# KiCad board 8-Bit CPU 32k.kicad_pcb (continued)
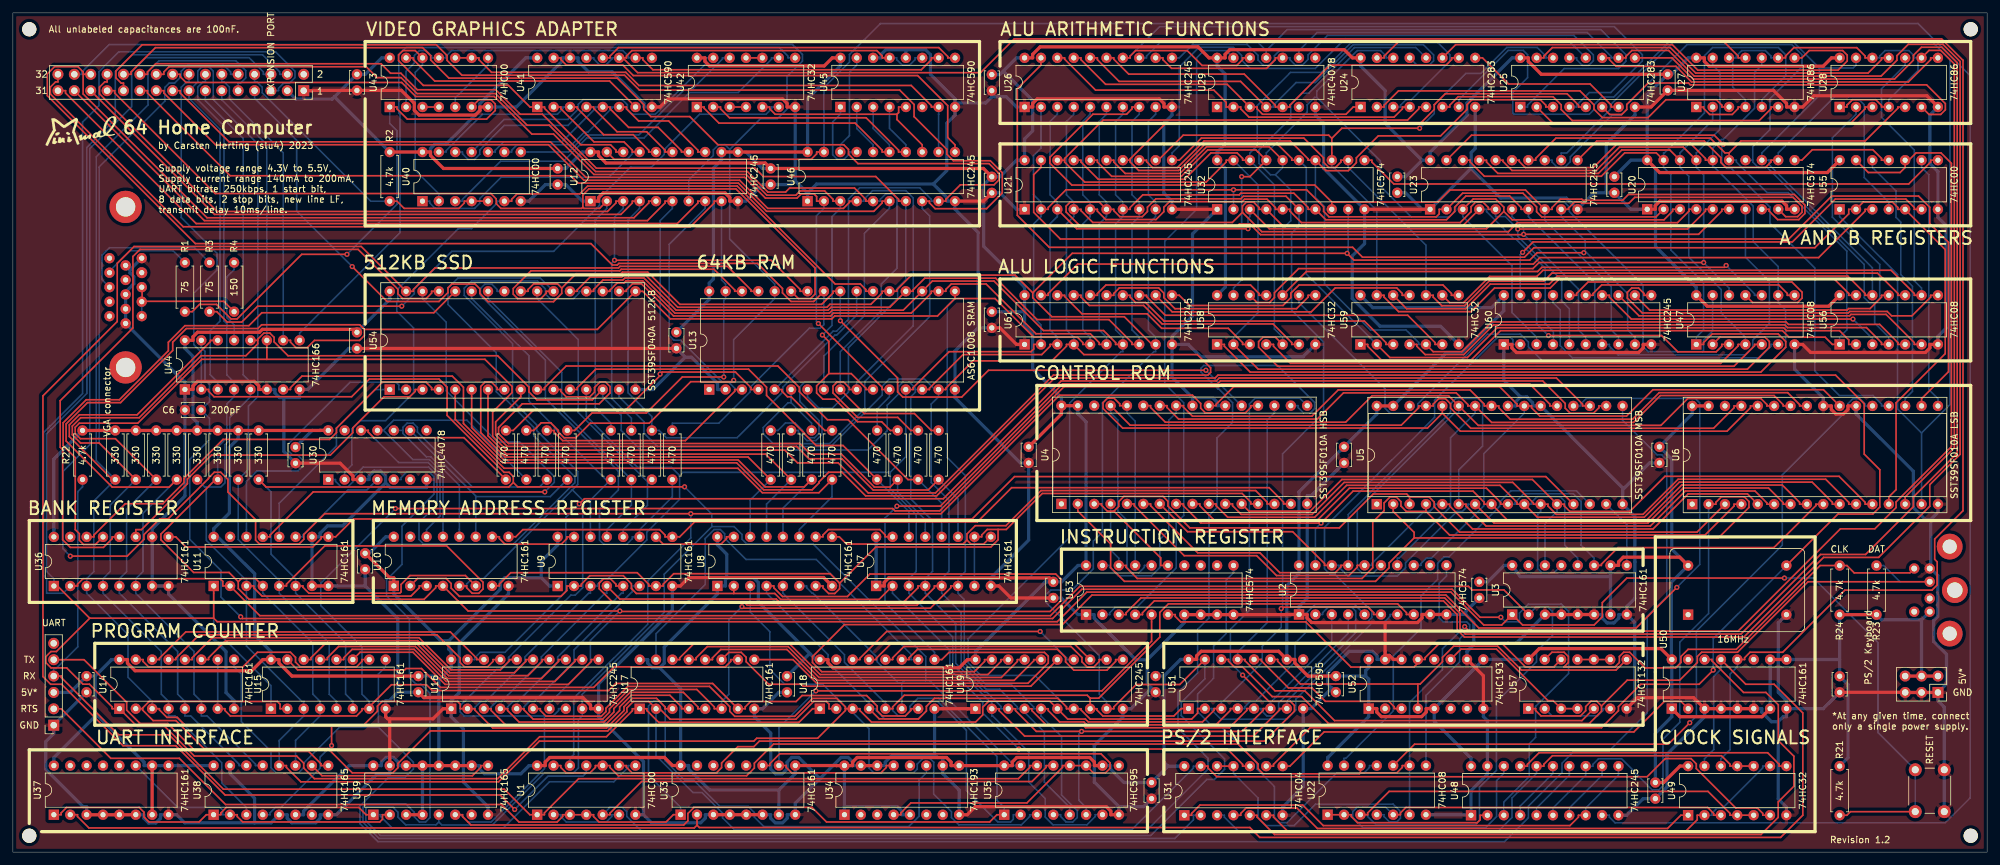
[diagram p0: board, top side]
## Routing (per net, layer and track width the routed paths; a pad name or vN(x,y) marks a point on that pad's centre or on a via; arc(x,y) is an arc through that point) (continued)
RAM_A11: length 283.7
  Top w0.25: U12.5 98.57,100.97 98.57,100.69 96.28,98.4 30.09,98.4 10.89,117.61 10.89,120.65 ; 10.89,120.65 10.89,121.02 10.08,121.83 6.45,121.83 5.33,120.71 5.33,117.34 28.29,94.39 89.61,94.39 92.93,91.07 93.7,91.07 93.94,91.31 115.43,91.31 119.31,87.44 119.31,86.75 120.64,85.42 124.15,85.42 U13.25 ; 10.89,120.65 J3.28
  Bottom w0.25: R8.2 102.24,66.53 109.44,66.53 114.3,71.39 114.3,72.09 123.47,81.26 125.18,81.26 125.73,81.82 U13.25
RAM_A12: length 174.4
  Top w0.25: R9.2 77.56,65.41 80.72,68.57 94.99,68.57 100.34,73.92 v1(100.34,74.15) 100.65,74.46 112.02,74.46 114.44,72.04 114.44,71.75 U13.4 ; J3.29 29.68,97.95 98.37,97.95 101.11,100.69 101.11,100.97 U12.6
  Bottom w0.25: v1(100.34,74.15) 100.34,97.95 102.24,99.85 U12.6
RAM_A13: length 228.1
  Top w0.25: R10.2 80.73,65.41 81.91,66.59 83.39,66.59 84.56,65.41 84.56,65.16 85.44,64.28 87.27,64.28 89.52,66.53 98.65,66.53 105.09,72.97 111.54,72.97 v1(111.75,73.18)
  Bottom w0.25: 111.13,109 115.9,113.77 118.52,113.77 120.01,115.25 120.01,120.3 122.41,122.69 122.41,123.73 120.87,125.26 14.95,125.26 10.7,121.02 10.7,120.65 J3.30 ; 111.13,109 110.38,109.75 109.42,109.75 108.59,108.92 108.59,108.06 104.78,104.25 U12.7 ; 111.13,109 111.13,95.1 118.11,88.12 U13.28 118.11,85.87 111.75,79.51 v1(111.75,73.18)
RAM_A14: length 183.2
  Top w0.25: U13.3 111.9,71.75 111.9,71.47 104.26,63.83 85.24,63.83 83.91,65.17 83.91,65.41 R11.2 ; U12.8 106.19,100.97 106.19,100.69 103,97.5 28.41,97.5 8.16,117.74 8.16,118.11 J3.31
  Bottom w0.25: U12.8 107.32,99.85 101.74,94.27 101.74,80.15 102.5,79.39 103.48,79.39 109.91,72.97 110.9,72.97 111.9,71.96 111.9,71.75 U13.3
RAM_A15: length 173.5
  Top w0.25: v1(110.21,73.7) 103.79,73.7 98.21,68.12 89.79,68.12 87.08,65.41 R12.2 ; J3.32 6.98,119.47 6.62,119.47 5.81,118.67 5.81,117.6 26.41,97 105.04,97 108.73,100.69 108.73,100.97 U12.9
  Bottom w0.25: v1(110.21,73.7) 110.21,85.59 110.49,85.87 U13.31 110.49,88.12 109.86,88.75 U12.9
UART_CLOCK: length 323.2
  Top w0.25: 106.06,4.17 106.42,3.81 191.77,3.81 193.3,2.28 274.06,2.28 277.5,5.72 277.5,21.59 273.05,26.03 268.65,26.03 U50.13 ; 106.06,4.17 105.64,3.75 11.78,3.75 10.02,5.52 10.02,5.8 U37.2 ; 106.06,4.17 U33.2
  Bottom w0.25: U50.13 264.81,28.37 263.68,27.25 263.68,15.9 262.25,14.47 U49.13
VGA_RAM_ON: length 213.9
  Bottom w0.25: U30.5 60.18,57.79 60.18,58.08 61.07,58.97 64.55,58.97 65.28,58.24 65.28,55.53 60.32,50.57 60.32,44.64 57.93,42.24 57.93,39.73 61.48,36.18 61.48,27.06 62.49,26.06 63.24,26.06 64.66,24.63 64.66,5.35 63.98,4.67 63.03,4.67 62.23,5.47 62.23,6.17 60.94,7.46 54.76,7.46 54.27,6.97 54.27,4.64 56.79,2.11 180.13,2.11 183.02,5.01 183.02,5.72 U31.2
~{PIXEL_LOAD}: length 297.1
  Top w0.25: v1(230.68,36.43) 227.47,36.43 223.13,40.77 165.74,40.77 161.19,36.23 35.58,36.23 v1(35.31,36.5)
  Bottom w0.25: U44.15 29.21,78.26 29.78,77.69 29.78,73.25 30.48,72.55 30.48,69.89 C6.2 30.48,67.27 30.48,63.98 27.43,60.93 27.43,48.5 32.26,43.68 32.26,39.55 v1(35.31,36.5) ; v1(230.68,36.43) 231.38,35.72 233.4,35.72 233.57,35.89 233.57,37.08 234.95,38.47 240.05,38.47 241.19,37.33 241.19,27.71 236.07,22.59 236.07,17.79 235.07,16.79 235.07,11.7 231.14,7.77 U48.3
~{RESET}: length 625.9
  Top w0.25: U11.1 31.13,36.28 ; SW1.1 284.9,6.28 284.34,5.72 283.21,5.72 ; 31.13,36.28 31.67,35.74 161.9,35.74 166.48,40.32 222.94,40.32 228.03,35.23 230.82,35.23 U3.1 234.06,35.23 245.15,35.23 246.41,36.49 246.41,38.7 250.22,42.51 v1(274.65,42.51) ; 31.13,36.28 11.91,36.28 ; 11.91,36.28 6.91,41.28 U36.1 ; 11.91,36.28 6.74,31.11 5.9,31.11 5.12,30.33 5.12,29.38 5.92,28.57 8.33,28.57 10.86,26.04 11.87,26.04 15.38,22.53 15.38,22.25 U14.1 19.26,19.5 23.53,19.5 28.13,14.9 43.99,14.9 45.09,13.8 45.09,13.05 46.74,11.39 75.16,11.39 81.67,17.9 92.02,17.9 96.04,21.92 96.04,22.23 U17.1 98.3,22.23 98.3,21.95 100.12,20.13 121.87,20.13 123.98,22.25 U18.1
  Bottom w0.25: J3.4 41.37,120.65 41.37,121.02 38.71,123.68 18.5,123.68 15.88,121.05 15.88,113.72 11.47,109.32 11.47,71.16 5.9,65.59 5.9,65.59 5.21,64.9 5.21,43.54 6.35,42.4 U36.1 ; U11.1 31.13,34.7 40.01,25.82 U15.1 ; SW1.1 SW1.1 289.16,18.54 289.16,32.48 279.14,42.51 v1(274.65,42.51)
~{VGA_ADDR_ON}: length 401.9
  Top w0.25: U12.19 93.21,107.47 123.77,107.47 124.61,108.31 124.61,108.59 U46.19
  Bottom w0.25: U48.9 247.51,5.72 247.51,5.43 248.39,4.55 299.59,4.55 303.44,8.4 303.44,120.44 295.36,128.52 134.5,128.52 129.7,123.72 129.7,122.55 125.74,118.59 U46.19
~{VGA_CTRL_ON}: length 203
  Top w0.25: 217.24,48.73 264.42,48.73 269.15,53.47 269.15,54.38 268.42,55.11 264.88,55.11 264.02,54.25 264.02,53.97 U6.2 ; 217.24,48.73 217.24,49.6 214,52.84 U5.2 ; 217.24,48.73 213.37,44.86 213.37,44.11 211.25,42 172.32,42 170.19,44.14 170.19,47.8 165.1,52.88 U4.2
  Bottom w0.25: U6.2 262.89,37.02 258.43,32.56 258.43,20.14 255.82,17.53 255.82,10.29 255.19,9.66 254.13,9.66 251.28,12.52 251.28,12.61 249.41,14.48 245.83,14.48 244.97,13.62 244.97,13.33 U48.13 243.84,11.92 238.76,6.84 U48.6
Net-(J2-Pad1): length 19.5
  Top w0.25: R4.1 32.68,85.44 20.03,85.44 ; 20.03,85.44 J2.2 ; 20.03,85.44 20.03,87.57 J2.3
  Bottom w0.25: J2.2 J2.1
Net-(J2-Pad13): length 23.5
  Bottom w0.25: J2.13 13.83,88.78 13.83,92.61 14.96,93.75 28.18,93.75 R3.1
Net-(J2-Pad14): length 14
  Bottom w0.25: J2.14 14.98,90.11 18.12,93.26 24.86,93.26 R1.1
Net-(U1-Pad2): length 11.4
  Bottom w0.25: 93.98,5.8 92.85,5.8 92.85,5.52 92.01,4.67 85.78,4.67 84.94,5.52 84.94,5.8 U1.2
Net-(U1-Pad8): length 98.9
  Top w0.25: U37.1 7.48,5.8 7.48,6.08 8.32,6.93 19.58,6.93 20.32,6.19 20.32,5.46 21.1,4.67 28.86,4.67 29.99,5.8 U38.1 32.24,5.8 32.24,6.08 33.08,6.93 53.63,6.93 54.75,5.8 U39.1
  Bottom w0.25: U39.1 57.01,5.8 57.01,5.52 58.79,3.74 76.02,3.74 83.2,10.91 93.16,10.91 95.39,13.14 95.39,13.42 U1.8
Net-(U1-Pad11): length 272
  Top w0.25: v1(77.79,6.61) 75.55,8.85 32.9,8.85 25.26,16.5 17.07,16.5 7.54,26.03 5.85,26.03 4.66,27.23 4.66,70.78 16.18,82.3 16.18,91.33 18.78,93.94 54.01,93.94 U54.31 62.09,86.99 62.09,87.27 65.43,90.62 93.88,90.62 94.13,90.86 110.78,90.86 114.44,87.2 114.44,86.99 U13.29
  Bottom w0.25: U1.11 88.9,12.29 88.39,11.79 82.97,11.79 v1(77.79,6.61)
Net-(U2-Pad11): length 38.4
  Bottom w0.25: U22.8 219.07,24.3 224.29,29.53 224.29,33.09 225.85,34.65 225.85,35.25 225.4,35.7 221.77,35.7 221.11,36.36 221.11,41.69 222.25,42.83 U2.11
Net-(U7-Pad15): length 13.2
  Top w0.25: U8.10 125.59,48.91 125.59,49.19 126.43,50.03 134.4,50.03 135.24,49.19 135.24,48.91 U7.15
Net-(U8-Pad15): length 13.2
  Top w0.25: U8.15 110.63,48.91 110.63,48.62 109.78,47.77 100.82,47.77 U9.10
Net-(U10-Pad10): length 14
  Top w0.25: U9.15 85.87,48.89 85.87,48.61 85.03,47.77 76.28,47.77 75.42,48.63 75.42,48.91 74.3,48.91
Net-(U13-Pad22): length 125
  Top w0.25: U13.22 132.22,86.99 132.22,87.28 131.38,88.12 127.49,88.12 112.29,103.31 89.1,103.31 87.89,102.1 78.16,102.1 77.32,101.26 77.32,100.97 U40.6
  Bottom w0.25: U30.2 51.43,58.92 52.56,60.05 52.56,65.65 53.83,66.92 57.79,66.92 62.13,71.27 62.13,81.28 59.51,83.9 59.51,85.38 59.67,85.54 59.67,87.33 69.06,96.71 71.09,96.71 75.07,100.69 75.07,100.97 U40.6
Net-(U13-Pad30): length 161.9
  Top w0.25: U13.30 111.9,86.99 111.9,87.2 108.7,90.41 94.31,90.41 94.07,90.17 80.32,90.17 77.57,87.42 77.57,86.55 78.27,85.85 81.84,85.85 82.69,86.71 82.69,86.99 U54.22
  Bottom w0.25: U30.1 50.02,57.79 50.02,57.51 50.9,56.63 51.91,56.63 52.7,57.43 52.7,58.13 54.28,59.71 64.49,59.71 65.73,58.46 65.73,53.91 62.95,51.13 62.95,48.5 63.66,47.79 77.6,47.79 87.13,57.31 87.13,58.2 80.75,64.58 80.75,65.88 76.39,70.24 76.12,70.24 74.93,71.43 74.93,77.47 67.45,84.95 67.45,87.49 69.01,89.05 81.76,89.05 U54.22
Net-(U14-Pad11): length 55.9
  Top w0.25: 80.65,29.86 79.52,29.86 79.52,29.58 77.76,27.82 67.74,27.82 62.76,32.8 32.99,32.8 30.34,30.15 30.34,29.86 29.21,29.86
Net-(U14-Pad12): length 55.8
  Top w0.25: 26.67,29.86 27.8,29.86 27.8,30.15 30.9,33.25 62.96,33.25 67.93,28.28 75.57,28.28 76.98,29.69 76.98,29.86 78.1,29.86
Net-(U14-Pad13): length 56.2
  Top w0.25: 24.13,29.86 25.26,29.86 25.26,30.07 28.89,33.7 65.74,33.7 69.33,30.11 69.33,29.43 70.02,28.74 73.6,28.74 74.44,29.58 74.44,29.86 75.56,29.86
Net-(U14-Pad14): length 55.2
  Top w0.25: 73.03,29.86 71.9,29.86 71.9,30.07 67.82,34.15 26.8,34.15 22.72,30.07 22.72,29.86 21.59,29.86
Net-(U14-Pad15): length 39.8
  Top w0.25: 55.24,29.86 54.12,29.86 54.12,29.58 53.28,28.74 44.55,28.74 43.82,29.48 43.82,30.21 43.03,31 37.91,31 35.63,28.72 21.03,28.72 20.18,29.58 20.18,29.86 19.05,29.86
Net-(U15-Pad11): length 42.4
  Top w0.25: 52.71,29.86 53.84,31 62.02,31 67,26.01 86.11,26.01 89.68,29.58 89.68,29.86 90.81,29.86
Net-(U15-Pad12): length 42.6
  Top w0.25: 50.16,29.86 51.29,29.86 51.29,30.15 52.59,31.45 62.2,31.45 67.18,26.47 84.03,26.47 87.14,29.58 87.14,29.86 88.27,29.86
Net-(U15-Pad13): length 42.6
  Top w0.25: 47.63,29.86 48.75,29.86 48.75,30.15 50.5,31.9 62.39,31.9 67.37,26.92 81.94,26.92 84.6,29.58 84.6,29.86 85.73,29.86
Net-(U15-Pad14): length 42.6
  Top w0.25: 83.19,29.86 82.06,29.86 82.06,29.58 79.85,27.37 67.55,27.37 62.58,32.35 48.41,32.35 46.21,30.15 46.21,29.86 45.09,29.86
Net-(U15-Pad15): length 73.8
  Top w0.25: U17.10 111.28,29.85 111.28,29.57 110.44,28.73 93.22,28.73 90.04,25.55 66.27,25.55 63.35,28.47 60.94,28.47 60.74,28.27 44.14,28.27 42.55,29.86
Net-(U17-Pad11): length 56.8
  Top w0.25: U17.11 111,30.98 112.92,30.98 113.68,30.22 113.68,29.53 117.18,26.03 122.22,26.03 122.52,25.74 157.81,25.74 U19.15
Net-(U17-Pad12): length 56.3
  Top w0.25: U17.12 108.46,29.85 108.46,30.14 109.75,31.43 120,31.43 124.79,26.64 155.23,26.64 158.26,29.67 158.26,29.85 U19.16
Net-(U17-Pad13): length 56.4
  Top w0.25: U19.17 155.72,29.85 155.72,29.57 153.24,27.09 124.98,27.09 120.19,31.88 107.66,31.88 105.92,30.14 105.92,29.85 U17.13
Net-(U17-Pad14): length 56.4
  Top w0.25: U17.14 103.38,29.85 103.38,30.14 105.61,32.37 120.34,32.37 125.16,27.54 151.15,27.54 153.18,29.57 153.18,29.85 U19.18
Net-(U17-Pad15): length 64.8
  Bottom w0.25: 140.35,29.86 139.22,29.86 139.22,30.71 124.54,45.39 113.66,45.39 110.35,48.7 110.35,49.37 109.68,50.04 108.72,50.04 107.32,48.63 107.32,41.49 99.71,33.88 U17.15
Net-(U18-Pad11): length 37.7
  Top w0.25: 137.81,29.86 138.94,29.86 138.94,30.15 140.24,31.45 161.93,31.45 163.2,30.18 163.2,29.51 164.49,28.21 169.6,28.21 170.96,29.57 170.96,29.85 U19.11
Net-(U18-Pad12): length 37.7
  Top w0.25: U19.12 168.42,29.85 168.42,29.57 167.54,28.69 166.57,28.69 165.74,29.52 165.74,30.18 164.02,31.9 138.15,31.9 136.4,30.15 136.4,29.86 135.27,29.86
Net-(U18-Pad13): length 36.5
  Top w0.25: U19.13 164.51,32.35 136.14,32.35 133.86,30.07 133.86,29.86 132.73,29.86
Net-(U18-Pad14): length 38.2
  Top w0.25: 130.19,29.86 131.32,29.86 131.32,30.07 135.47,34.23 v1(159.26,34.23)
  Bottom w0.25: U19.14 163.34,29.85 163.34,30.14 v1(159.26,34.23)
Net-(U20-Pad11): length 16.1
  Top w0.25: 290.82,107.32 289.7,107.32 289.7,107.61 288.36,108.95 278.97,108.95 277.36,107.33 U20.11
Net-(U22-Pad1): length 26.3
  Top w0.25: U48.2 227.47,5.72 227.47,5.01 227.03,4.56 208.45,4.56 207.5,5.52 207.5,5.8 U22.2 U22.1
Net-(U22-Pad4): length 42.1
  Top w0.25: U31.12 U31.11
  Bottom w0.25: U22.4 212.58,5.8 212.58,5.52 213.42,4.67 214.53,4.67 215.12,5.26 215.12,6.3 213.97,7.44 201.97,7.44 198.64,4.11 194.3,4.11 193.04,5.37 193.04,8.4 189.23,12.21 U31.11
Net-(U22-Pad5): length 92
  Top w0.25: U49.3 263.67,5.72 263.67,6.01 262.75,6.93 215.96,6.93 215.12,6.08 215.12,5.8 U22.5
  Bottom w0.25: U22.5 212.81,6.97 208.43,6.97 207.73,6.28 207.73,5.36 209.32,3.77 228.27,3.77 230.01,5.51 230.01,11.08 231.14,12.21 U48.18
Net-(U22-Pad11): length 67.1
  Bottom w0.25: U22.11 210.32,13.42 210.32,13.14 209.48,12.29 205.25,12.29 197.53,4.57 196.39,4.57 195.58,5.38 195.58,10.18 192.9,12.87 192.9,13.88 186.96,19.81 185.65,19.81 183.67,21.8 183.67,24.48 186.15,26.96 186.15,31.96 188.11,33.92 188.11,42.21 189.24,43.33 U53.11
Net-(U24-Pad1): length 48.9
  Top w0.25: U26.17 165.59,123.2 165.59,122.92 169.41,119.1 188.25,119.1 U29.3 192.89,115.58 192.89,115.3 193.73,114.45 206.68,114.45 207.8,115.58 U24.1
Net-(U24-Pad2): length 59.7
  Top w0.25: U27.3 264.94,115.58 264.94,115.86 264.1,116.71 256.27,116.71 253.5,113.93 246.42,113.93 245.12,115.23 245.12,115.9 242.94,118.08 214.82,118.08 212.6,115.86 212.6,115.58 U24.2
Net-(U24-Pad4): length 60
  Top w0.25: U26.18 163.05,123.2 163.05,123 167.85,118.2 186.19,118.2 188.1,116.28 188.1,115.58 U29.2 190.35,115.58 190.35,115.3 191.65,114 214.13,114 215.42,115.3 215.42,115.58 U24.4
Net-(U24-Pad6): length 55.9
  Top w0.25: U27.6 272.56,115.58 272.56,115.3 270.74,113.48 241.74,113.48 240.05,115.18 240.05,115.91 238.78,117.17 224.07,117.17 222.76,115.86 222.76,115.58 U24.6
Net-(U24-Pad9): length 25.5
  Top w0.25: U24.9 227.84,123.2 231.89,119.14 244.53,119.14 247.81,115.86 247.81,115.58 U25.7
Net-(U24-Pad10): length 61.6
  Top w0.25: U26.15 170.67,123.2 170.67,123 172.99,120.67 190.91,120.67 195.72,115.86 195.72,115.58 U29.5 197.97,115.58 197.97,115.86 204.18,122.07 222.2,122.07 223.04,122.92 223.04,123.2 U24.10
Net-(U24-Pad11): length 75.7
  Top w0.25: U27.8 277.35,123.2 278.48,124.33 283.68,124.33 284.38,123.62 284.38,122.71 282.97,121.3 261.22,121.3 257.27,125.25 223.68,125.25 U24.11
Net-(U24-Pad13): length 66.8
  Top w0.25: U29.4 190.34,119.55 171.5,119.55 168.13,122.92 168.13,123.2 U26.16
  Bottom w0.25: U24.13 217.7,122.05 219.56,122.05 220.26,122.75 220.26,123.65 218.67,125.25 207.8,125.25 201.93,119.38 198.94,119.38 195.43,115.86 195.43,115.58 U29.4
Net-(U24-Pad15): length 59.5
  Top w0.25: U27.11 267.48,123.2 267.48,123.48 265.26,125.7 214.81,125.7 212.6,123.48 212.6,123.2 U24.15
Net-(U25-Pad1): length 101.8
  Bottom w0.25: U29.11 194.31,124.33 ; 194.31,124.33 197.56,127.59 246.18,127.59 250.06,123.7 250.06,122.67 248.94,121.54 240.5,121.54 234.82,115.86 234.82,115.58 U25.1 ; 194.31,124.33 192.9,125.73 178,125.73 175.75,123.48 175.75,123.2 U26.13
Net-(U25-Pad2): length 54.3
  Top w0.25: U28.3 287.16,115.58 287.16,115.3 284.89,113.03 238.78,113.03 U25.2
Net-(U25-Pad4): length 121.8
  Top w0.25: U26.14 173.21,123.2 173.21,123.48 174.05,124.33 182.06,124.33 184.36,122.02 189.75,122.02 190.64,122.92 190.64,123.2 U29.12
  Bottom w0.25: U26.14 173.21,123.2 173.21,123.48 177.76,128.04 248.28,128.04 252.62,123.7 252.62,122.71 247.72,117.82 244.4,117.82 242.44,115.86 242.44,115.58 U25.4
Net-(U25-Pad6): length 62.9
  Top w0.25: U25.6 247.56,114.42 249.43,114.42 250.2,115.19 250.2,115.97 253.53,119.3 259.78,119.3 260.06,119.02 296.69,119.02 299.6,116.1 299.6,115.14 298.88,114.43 297.06,114.43 U28.6
Net-(U25-Pad11): length 55.5
  Top w0.25: U28.8 297.32,123.2 297.32,122.92 293.87,119.47 260.25,119.47 257.82,121.89 248.55,121.89 247.52,122.92 247.52,123.2 U25.11
Net-(U25-Pad13): length 79.3
  Top w0.25: U26.12 178.29,123.2 178.29,122.92 179.64,121.57 194.37,121.57 195.72,122.92 195.72,123.2 U29.10
  Bottom w0.25: U29.10 197.97,123.2 197.97,122.92 198.81,122.07 199.91,122.07 200.8,122.97 200.8,123.67 203.81,126.68 242,126.68 245.03,123.65 245.03,122.76 244.31,122.04 243.32,122.04 242.44,122.92 242.44,123.2 U25.13
Net-(U25-Pad15): length 58.2
  Top w0.25: U25.15 237.36,123.2 237.36,123.48 238.67,124.8 256.94,124.8 260.89,120.85 287.63,120.85 289.7,122.92 289.7,123.2 U28.11
Net-(U31-Pad3): length 92.6
  Top w0.25: U49.10 U49.11 266.21,13.34 266.21,13.63 264.88,14.95 238.68,14.95 237.35,13.62 237.35,13.33 U48.16
  Bottom w0.25: U48.16 236.22,12.21 232.41,8.4 232.41,5.37 230.3,3.26 189.99,3.26 187.82,5.43 187.82,5.72 U31.3
Net-(U31-Pad4): length 73.3
  Top w0.25: U49.1 258.59,5.72 256.53,3.66 202.24,3.66 199.06,6.84 191.2,6.84 190.36,6 190.36,5.72 U31.4
Net-(U31-Pad5): length 118.3
  Top w0.25: U50.14 263.4,29.88 263.4,29.69 268.32,24.76 271.78,24.76 273.7,22.84 273.7,17.29 276.12,14.87 276.12,10.22 273.69,7.78 273.69,5.39 271.03,2.73 195.6,2.73 192.9,5.43 192.9,5.72 U31.5
Net-(U31-Pad6): length 84.2
  Top w0.25: U31.6 195.44,5.72 195.44,5.43 197.66,3.21 259.32,3.21 261.13,5.02 261.13,5.72 U49.2
  Bottom w0.25: U49.2 263.38,5.72 263.38,6.01 264.22,6.85 265.08,6.85 271.29,13.06 271.29,13.34 U49.9
Net-(U31-Pad8): length 67.5
  Top w0.25: U50.2 258.61,23.38 256.04,23.38 251.31,18.64 203.29,18.64 197.98,13.33 U31.8
Net-(U32-Pad11): length 92.3
  Top w0.25: 298.44,107.32 297.32,107.32 297.32,107.04 293.91,103.64 214.09,103.64 210.68,107.04 210.68,107.32 209.56,107.32
Net-(U33-Pad11): length 94
  Top w0.25: U33.11 117.35,13.43 117.35,13.71 118.88,15.25 168.69,15.25 170.09,13.85 170.09,13 169.36,12.26 167.54,12.26 U35.11 U35.12 162.72,13.42 162.72,13.14 157.21,7.63 139.21,7.63 137.67,6.08 137.67,5.8 U34.4
Net-(U37-Pad11): length 44.4
  Top w0.25: U38.2 34.78,5.8 34.78,5.52 35.62,4.67 56.87,4.67 57.29,5.1 57.29,5.8 U39.2
  Bottom w0.25: U38.2 32.53,5.8 32.53,6.5 32.11,6.93 25.54,6.93 U37.11
Net-(U38-Pad10): length 28.8
  Top w0.25: U38.10 47.93,11.84 71.24,11.84 72.53,13.14 72.53,13.42 U39.9
Net-(U40-Pad3): length 59.7
  Bottom w0.25: U42.9 117.61,123.2 117.61,123 112.44,117.82 104.9,117.82 97.85,110.77 88.97,110.77 85.36,107.17 75.61,107.17 69.7,101.26 69.7,100.97 U40.3
Net-(U40-Pad8): length 38.5
  Bottom w0.25: 78.74,108.59 79.86,108.59 86.15,108.6 88.78,111.22 97.03,111.22 104.08,118.27 105.26,118.27 109.99,123.01 109.99,123.2 U42.12
Net-(U40-Pad11): length 46.8
  Bottom w0.25: U40.11 76.17,113.65 86.04,113.65 87.65,115.26 87.65,115.98 88.39,116.72 94.47,116.72 95.27,115.93 95.27,115.19 96,114.45 99.6,114.45 107.45,122.31 107.45,123.2 U42.13
Net-(U41-Pad12): length 56.2
  Top w0.25: U41.12 92.58,123.2 92.58,123.48 93.89,124.79 143.55,124.79 144.94,123.4 144.94,123.2 U45.9
Net-(U42-Pad3): length 2.5
  Top w0.25: U42.4 U42.3
Net-(U42-Pad8): length 113.6
  Bottom w0.25: U44.9 44.45,80.51 60.02,96.08 60.02,114.44 59.83,114.62 59.83,123.69 60.94,124.8 118.84,124.8 120.15,123.48 120.15,123.2 U42.8
Net-(U42-Pad10): length 2.5
  Top w0.25: U42.11 U42.10
Net-(U43-Pad3): length 2.5
  Top w0.25: U43.4 U43.3
Net-(U43-Pad5): length 9.7
  Bottom w0.25: U43.5 68.58,116.99 73.66,122.07 U43.8
Net-(U47-Pad3): length 36.7
  Top w0.25: v1(238.06,80.13) 255.6,80.13 258.13,77.6 264.07,77.6 264.93,78.47 264.93,78.75 U47.3
  Bottom w0.25: v1(238.06,80.13) 236.23,81.96 U60.18
Net-(U47-Pad6): length 43.9
  Bottom w0.25: U47.6 272.55,78.75 272.55,78.47 270.76,76.67 241.77,76.67 239.89,78.56 239.89,84.12 238.76,85.24 U60.17
Net-(U47-Pad8): length 34
  Top w0.25: U60.15 244.97,86.37 244.97,86.63 246.31,87.98 273.77,87.98 275.09,86.65 275.09,86.37 U47.8
Net-(U47-Pad11): length 48.2
  Top w0.25: U60.16 242.43,86.37 242.43,86.65 244.21,88.43 275.81,88.43 277.38,86.85 277.38,85.93 276.7,85.25 269.72,85.25 U47.11
Net-(U48-Pad17): length 43.3
  Top w0.25: U48.17 234.81,13.33 234.81,13.62 236.6,15.41 272.04,15.41 273.83,13.63 273.83,13.34 U49.8
Net-(U51-Pad11): length 65.8
  Top w0.25: U52.4 217.82,26.07 ; U57.8 248.55,28.24 233.88,28.24 230.19,31.94 223.36,31.94 221.63,30.21 221.63,29.52 218.18,26.07 217.82,26.07 ; 217.82,26.07 199.61,26.07 196.09,29.6 196.09,29.88 U51.11
Net-(U51-Pad12): length 26.3
  Top w0.25: U52.3 214.15,22.26 214.15,22.55 213.31,23.39 203.47,23.39 201.39,25.47 197.76,25.47 193.55,29.68 193.55,29.88 U51.12
Net-(U52-Pad11): length 24.2
  Top w0.25: U52.11 224.5,31.49 230,31.49 237.99,23.5 238.79,23.5 U57.3 U57.4
Net-(U55-Pad3): length 134.8
  Top w0.25: U61.19 160.51,86.37 160.51,86.65 165.07,91.22 235.73,91.22 236.72,92.21 279.95,92.21 287.16,99.42 287.16,99.7 U55.3
Net-(U55-Pad6): length 72.9
  Top w0.25: v1(234.06,93.03) 235.68,94.65 275.88,94.65 282.53,101.3 293.47,101.3 294.78,99.99 294.78,99.7 U55.6
  Bottom w0.25: U60.19 233.69,92.65 v1(234.06,93.03)
Net-(U56-Pad3): length 45.9
  Top w0.25: U60.14 247.51,86.37 247.51,86.09 250.91,82.68 v1(285.27,82.68)
  Bottom w0.25: v1(285.27,82.68) 288.08,79.88 288.29,79.88 U56.3
Net-(U56-Pad6): length 50.5
  Top w0.25: U60.13 252.11,83.18 284.74,83.18 284.97,83.41 290.4,83.41 294.78,79.03 294.78,78.75 U56.6
Net-(U56-Pad8): length 56.5
  Top w0.25: U60.11 252.88,86.37 252.88,86.65 252.04,87.5 250.97,87.5 250.29,86.81 250.29,85.95 252.61,83.63 284.56,83.63 284.78,83.86 290.59,83.86 291.26,83.18 294.42,83.18 297.32,86.09 297.32,86.37 U56.8
Net-(U56-Pad11): length 41.4
  Top w0.25: U60.12 253.75,84.08 284.37,84.08 284.6,84.31 287.92,84.31 289.7,86.09 289.7,86.37 U56.11
Net-(U57-Pad2): length 11.3
  Bottom w0.25: U57.6 246.52,22.25 246.52,21.97 245.68,21.13 238.61,21.13 U57.2
Net-(U57-Pad10): length 5.1
  Top w0.25: U57.11 U57.10 U57.9
Net-(U58-Pad3): length 33.3
  Top w0.25: U61.18 163.05,86.37 163.05,86.19 165.75,83.5 175.85,83.5 178.1,81.25 188.43,81.25 190.64,79.03 190.64,78.75 U58.3
Net-(U58-Pad6): length 38.4
  Top w0.25: U61.17 165.59,86.37 165.59,86.09 166.88,84.79 175.3,84.79 178.17,81.92 195.37,81.92 198.26,79.03 198.26,78.75 U58.6
Net-(U58-Pad8): length 35.8
  Top w0.25: U61.15 170.67,86.37 170.67,86.65 171.53,87.52 177.63,87.52 178.44,86.71 178.44,86.01 180.16,84.29 199.01,84.29 200.8,86.09 200.8,86.37 U58.8
Net-(U58-Pad11): length 28.9
  Top w0.25: U58.11 193.18,86.37 193.18,86.65 191.87,87.97 169.46,87.97 168.13,86.64 168.13,86.37 U61.16
Net-(U59-Pad3): length 45.4
  Top w0.25: U61.14 173.21,86.37 173.21,86.09 174.05,85.24 175.6,85.24 178.47,82.38 209.52,82.38 212.86,79.03 212.86,78.75 U59.3
Net-(U59-Pad6): length 50.4
  Top w0.25: U59.6 220.48,78.75 220.48,79.03 216.24,83.28 178.65,83.28 175.75,86.18 175.75,86.37 U61.13
Net-(U59-Pad8): length 47.6
  Top w0.25: U61.11 180.83,86.37 182.41,84.79 196.92,84.79 198.12,86 198.12,86.69 199.4,87.97 221.71,87.97 223.02,86.65 223.02,86.37 U59.8
Net-(U59-Pad11): length 42.6
  Top w0.25: U59.11 215.4,86.37 215.4,86.65 214.54,87.51 205.01,87.51 201.3,83.8 179.73,83.8 U61.12

## Copper pours and planes (outline as drawn; the poured copper is in the pictures)
GND on Top, Bottom: 306.07,0 0,0 0,130.18 306.07,130.18

## Text on the board
F.Silkscreen: Supply voltage range 4.3V to 5.5V, / Supply current range 140mA to 200mA, / UART bitrate 250kbps, 1 start bit, / 8 data bits, 2 stop bits, new line LF, / transmit delay 10ms/line. | *At any given time, connect / only a single power supply. | TX | RX | 5V* | RTS | GND | 32 | 31 | All unlabeled capacitances are 100nF. | by Carsten Herting (slu4) 2023 | 2 | 1 | CLK | Revision 1.2 | DAT | UART INTERFACE | A AND B REGISTERS | BANK REGISTER | PROGRAM COUNTER | 512KB SSD | VIDEO GRAPHICS ADAPTER | MEMORY ADDRESS REGISTER | 64KB RAM | CONTROL ROM | ALU LOGIC FUNCTIONS | ALU ARITHMETIC FUNCTIONS | INSTRUCTION REGISTER | PS/2 INTERFACE | CLOCK SIGNALS | 64 Home Computer
